# Altium PCB clock.PcbDoc (part 1 of 3) (continued)
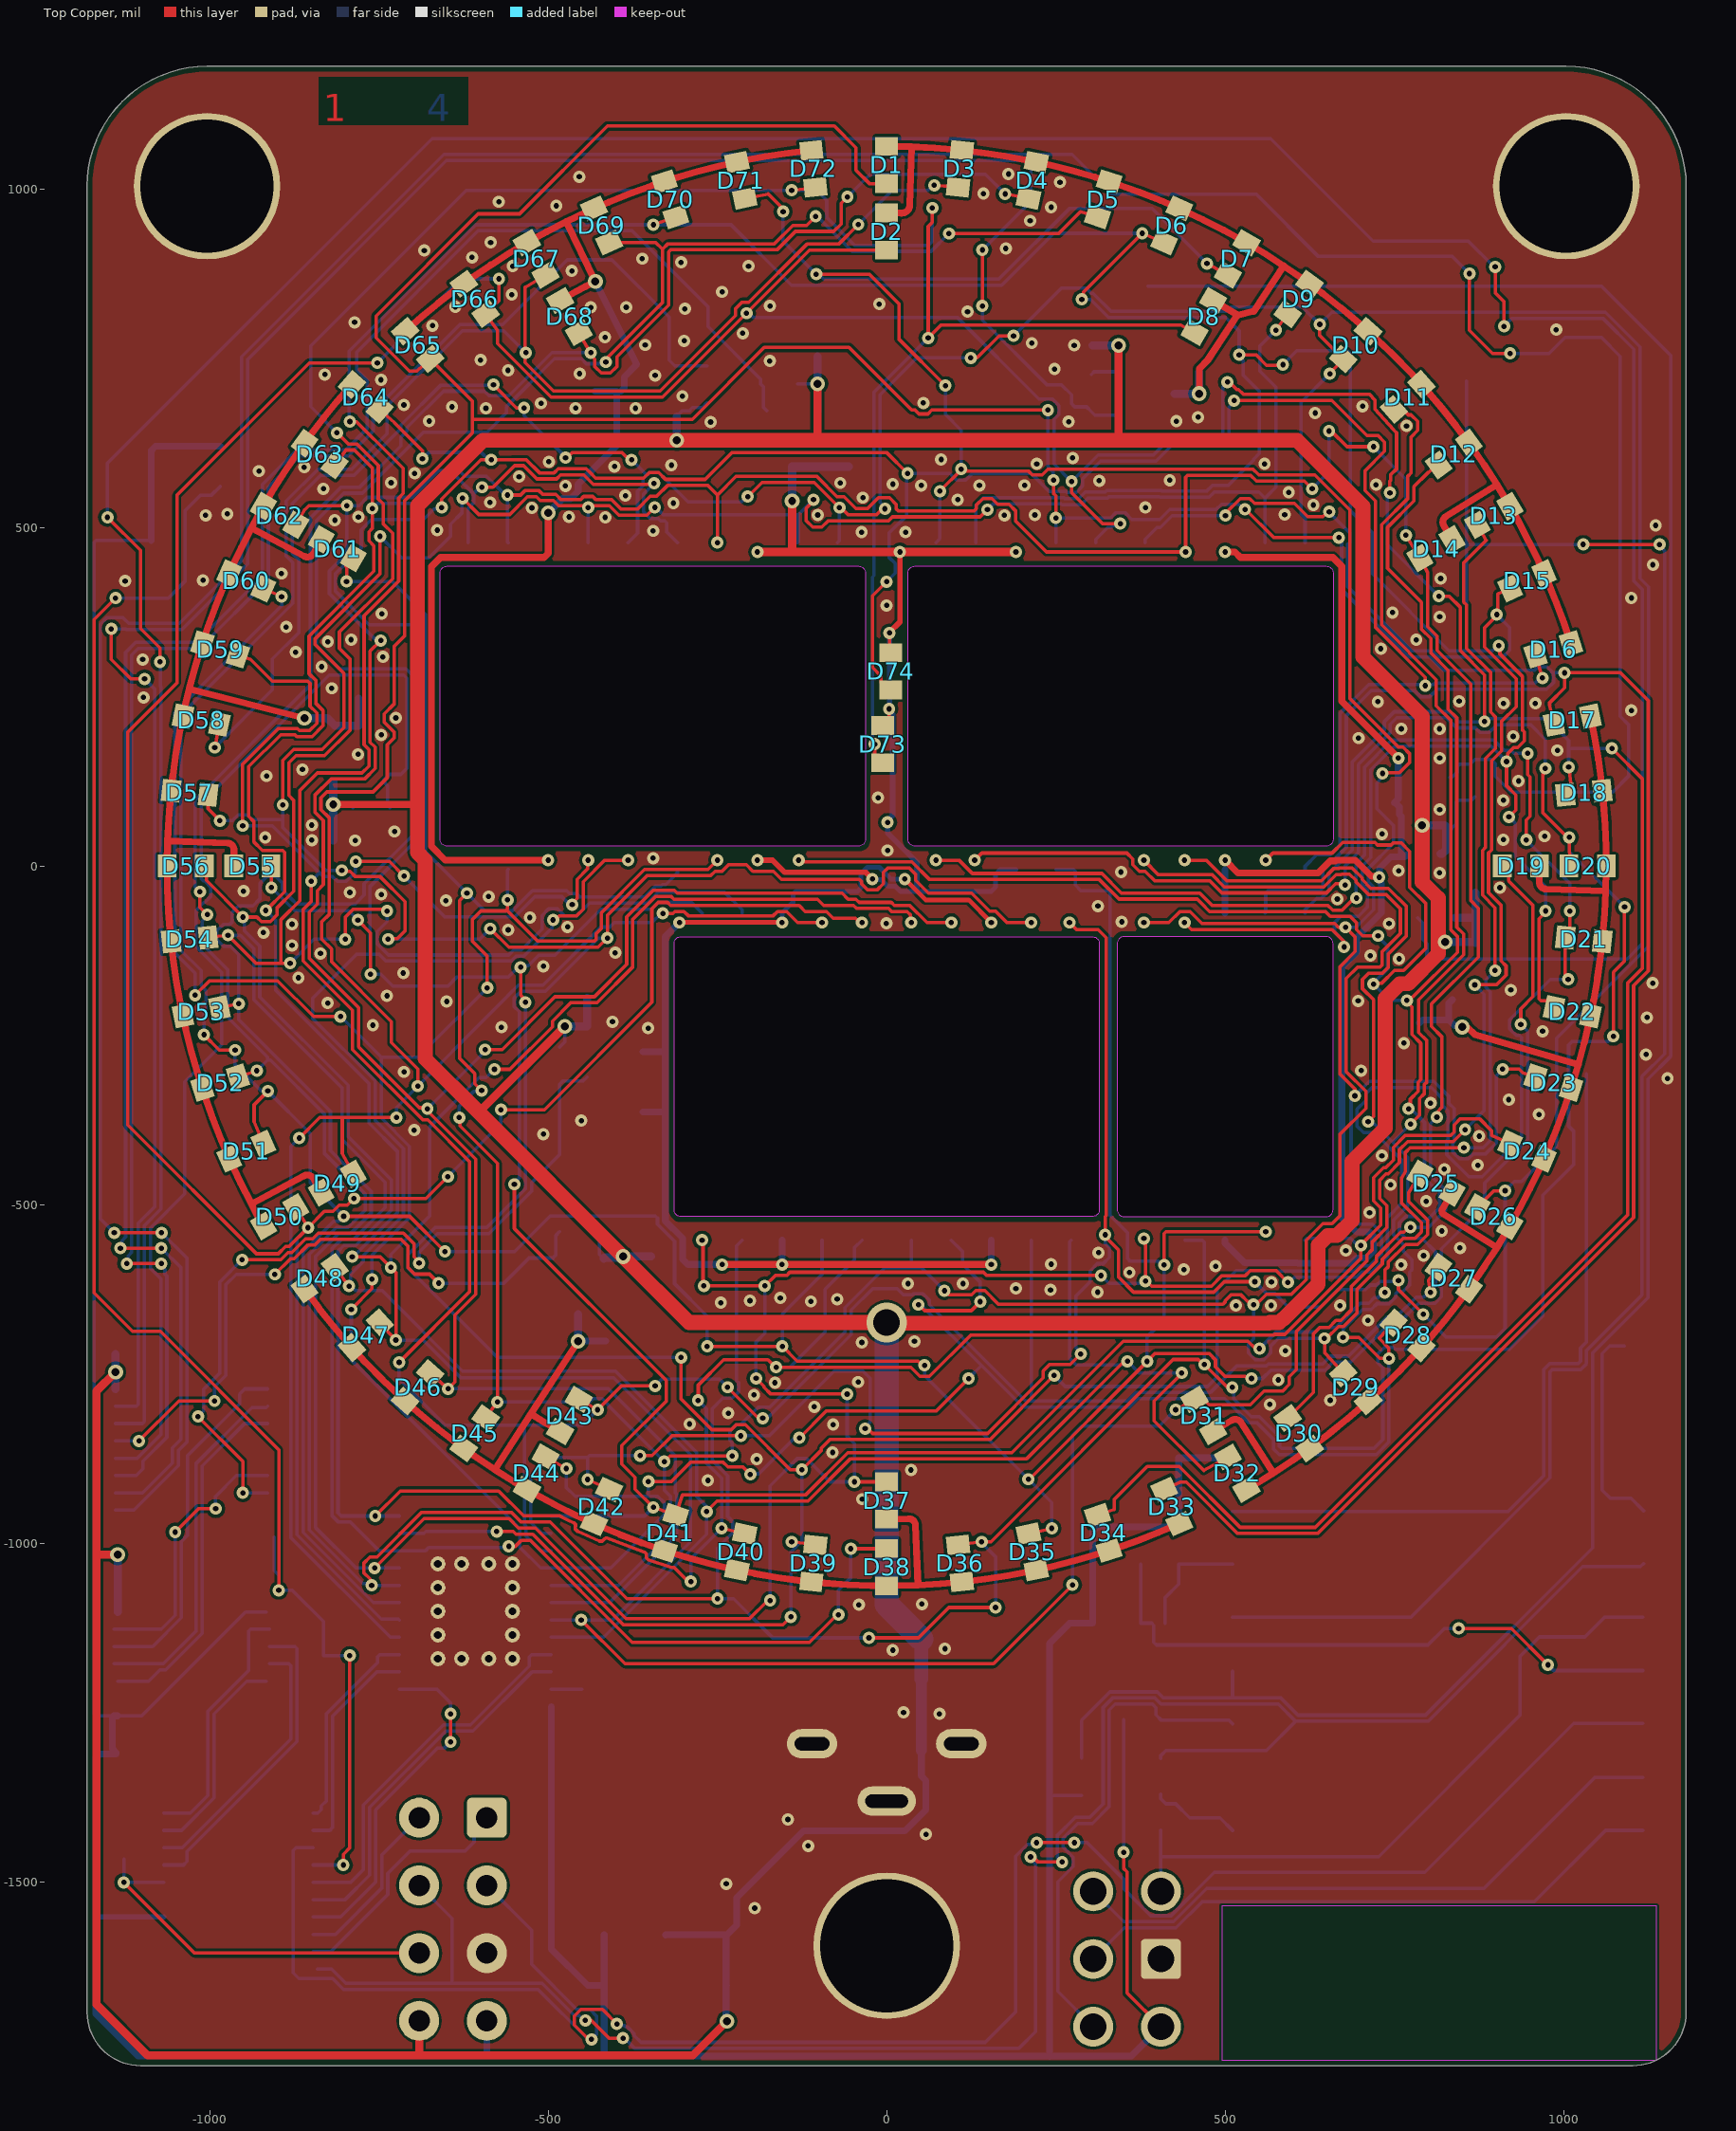
[diagram p0: Top Copper view]
## Board outline
-1181.1,-1692.91 ccw(c-1102.36,-1692.91) -1102.36,-1771.65 1102.36,-1771.65 ccw(c1102.36,-1692.91) 1181.1,-1692.91 1181.1,1003.94 ccw(c1003.94,1003.94) 1003.94,1181.1 -1003.94,1181.1 ccw(c-1003.94,1003.94) -1181.1,1003.94
cut-out: 340.55,-507.87 ccw(c350.39,-507.87) 350.39,-517.72 649.61,-517.72 ccw(c649.61,-507.87) 659.45,-507.87 659.45,-114.17 ccw(c649.61,-114.17) 649.61,-104.33 350.39,-104.33 ccw(c350.39,-114.17) 340.55,-114.17
cut-out: -313.98,-507.87 -313.98,-114.17 cw(c-304.13,-114.17) -304.13,-104.33 304.13,-104.33 cw(c304.13,-114.17) 313.98,-114.17 313.98,-507.87 cw(c304.13,-507.87) 304.13,-517.72 -304.13,-517.72 cw(c-304.13,-507.87)
cut-out: 41.34,29.53 cw(c41.34,39.37) 31.5,39.37 31.5,433.07 cw(c41.34,433.07) 41.34,442.91 649.61,442.91 cw(c649.61,433.07) 659.45,433.07 659.45,39.37 cw(c649.61,39.37) 649.61,29.53
cut-out: -659.45,39.37 -659.45,433.07 cw(c-649.61,433.07) -649.61,442.91 -41.34,442.91 cw(c-41.34,433.07) -31.5,433.07 -31.5,39.37 cw(c-41.34,39.37) -41.34,29.53 -649.61,29.53 cw(c-649.61,39.37)
cut-out: 41.34,29.53 cw(c41.34,39.37) 31.5,39.37 31.5,433.07 cw(c41.34,433.07) 41.34,442.91 649.61,442.91 cw(c649.61,433.07) 659.45,433.07 659.45,39.37 cw(c649.61,39.37) 649.61,29.53
cut-out: -659.45,39.37 -659.45,433.07 cw(c-649.61,433.07) -649.61,442.91 -41.34,442.91 cw(c-41.34,433.07) -31.5,433.07 -31.5,39.37 cw(c-41.34,39.37) -41.34,29.53 -649.61,29.53 cw(c-649.61,39.37)
cut-out: 41.34,29.53 cw(c41.34,39.37) 31.5,39.37 31.5,433.07 cw(c41.34,433.07) 41.34,442.91 649.61,442.91 cw(c649.61,433.07) 659.45,433.07 659.45,39.37 cw(c649.61,39.37) 649.61,29.53
cut-out: -659.45,39.37 -659.45,433.07 cw(c-649.61,433.07) -649.61,442.91 -41.34,442.91 cw(c-41.34,433.07) -31.5,433.07 -31.5,39.37 cw(c-41.34,39.37) -41.34,29.53 -649.61,29.53 cw(c-649.61,39.37)

## Design rules (kind name [scope] priority, off if disabled: settings)
BoardOutlineClearance [OnLayer('Top Copper') Or OnLayer('Bottom Copper') Or OnLayer('Signal Layer 1') Or OnLayer('Signal Layer 2')] p1: gap=7.87 ignorepadtopadclearanceinfootprint=FALSE
Clearance Clearance_LED_DIGIT [InComponentClass('LED_DIGIT') AND False vs OnLayer('Multi-Layer')] p1: gap=7.87 ignorepadtopadclearanceinfootprint=FALSE
Clearance [All] p2: gap=4 ignorepadtopadclearanceinfootprint=TRUE except(9.84: Arc-Hole Track-Hole SMDPad-Hole THPad-Hole Via-Hole Fill-Hole Poly-Hole Region-Hole Text-Hole)
ComponentClearance [All] p1: gap=3.94 collisioncheckmode=3 verticalgap=0 showdistances=TRUE
DiffPairsRouting [All] p1: maxlimit=4 minlimit=4 mostfreqgap=4 toplayer_minwidth=4 toplayer_maxwidth=71497.94 toplayer_prefwidth=4 midlayer1_minwidth=4 midlayer1_maxwidth=71497.94 midlayer1_prefwidth=4 midlayer2_minwidth=4 midlayer2_maxwidth=71497.94 midlayer2_prefwidth=4 bottomlayer_minwidth=4 bottomlayer_maxwidth=71497.94 bottomlayer_prefwidth=4 maxuncoupledlength=500
Height [All] p1: minheight=0 maxheight=71497.94 prefheight=500
HoleSize [All] p1: absolutevalues=TRUE maxlimit=248.03 minlimit=7.87 maxpercent=80.000 minpercent=20.000
HoleToHoleClearance [All] p1: gap=9.84 allowstackedmicrovias=FALSE
MinimumAnnularRing [All] p1: minimumring=5.12
MinimumSolderMaskSliver [All] p1: minsoldermaskwidth=0
NetAntennae [False] p1: netantennaetolerance=0
PlaneClearance [All] p1: clearance=4
PlaneConnect PlaneConnectPowerPads [InPadClass('PowerPads')] p1: planeconnectstyle=Direct reliefexpansion=20 reliefentries=4 reliefconductorwidth=10 reliefairgap=10
PlaneConnect [All] p2: pad.planeconnectstyle=Relief pad.reliefexpansion=11.81 pad.reliefentries=4 pad.reliefconductorwidth=4 pad.reliefairgap=4 via.planeconnectstyle=Direct via.reliefexpansion=11.81 via.reliefentries=4 via.reliefconductorwidth=5 via.reliefairgap=5
PolygonConnect PolygonConnect_gnd [InNet('GND') AND (((AsMM(PadYSize_AllLayers) >= 1.65) OR (AsMM(PadXSize_AllLayers) >= 1.5)) OR (InComponentClass('USB_CONNECTOR')) OR (InComponentClass('LED_DRIVER')))] p1: connectstyle=Direct reliefconductorwidth=10 reliefentries=4 polygonreliefangle="90 Angle" airgapwidth=10
PolygonConnect PolygonConnect_PWR [InNetClass('PWR')] p2: thpad.connectstyle=Direct thpad.reliefconductorwidth=10 thpad.reliefentries=4 thpad.polygonreliefangle="90 Angle" thpad.airgapwidth=10 smdpad.connectstyle=Relief smdpad.reliefconductorwidth=6 smdpad.reliefentries=4 smdpad.polygonreliefangle="90 Angle" smdpad.airgapwidth=5 via.connectstyle=Direct via.reliefconductorwidth=10 via.reliefentries=4 via.polygonreliefangle="90 Angle" via.airgapwidth=10
PolygonConnect [All] p3: thpad.connectstyle=Relief thpad.reliefconductorwidth=4 thpad.reliefentries=4 thpad.polygonreliefangle="90 Angle" thpad.airgapwidth=4 smdpad.connectstyle=Relief smdpad.reliefconductorwidth=4 smdpad.reliefentries=4 smdpad.polygonreliefangle="90 Angle" smdpad.airgapwidth=4 via.connectstyle=Direct via.reliefconductorwidth=5 via.reliefentries=4 via.polygonreliefangle="90 Angle" via.airgapwidth=5
RoutingLayers RoutingLayers_GND_BOTTOM [TouchesRoom('BOTTOM_GND')] p1: top layer_v5=TRUE mid layer 1_v5=TRUE mid layer 2_v5=TRUE bottom layer_v5=FALSE
RoutingLayers RoutingLayers_CUTOUTS [IsCutoutRegion] p2: top layer_v5=TRUE mid layer 1_v5=TRUE mid layer 2_v5=TRUE bottom layer_v5=TRUE
RoutingLayers [All] p3: top layer_v5=TRUE mid layer 1_v5=FALSE mid layer 2_v5=FALSE bottom layer_v5=TRUE
RoutingVias [All] p1: holewidth=7.87 width=17.72 viastyle="Through Hole" minholewidth=7.87 minwidth=17.72 maxholewidth=248.03 maxwidth=257.87 useviatemplates=TRUE viatemplateguid#1={26E339E6-4DC3-48AE-977F-90C94B5D6B22} viatemplateguid#2={1CEDF6CC-44D3-47FE-97DC-F5DA45AB97C9} viatemplateguid#3={31585C56-AB0C-4507-8C52-108CFC4AFD13} viatemplateguid#4={5EB94100-413C-4C3D-8577-2FB1A627B659} viatemplateguid#5={FFD8844E-BE91-452B-9529-80E850298098} viatemplateguid#6={17CEAE05-4389-496E-8F7E-7D5408FA6F4E} viatemplatename#1=CENTER_HOLE viatemplatename#2=CHUNKY_5 viatemplatename#3=GND_VIA viatemplatename#4=led_bus viatemplatename#5=mount_hole viatemplatename#6=pwr_via
SilkToSilkClearance [All] p1: silktosilkclearance=0
SilkToSolderMaskClearance [False] p1: minsilkscreentomaskgap=4 clearancetoexposedcopper=TRUE
SolderMaskExpansion [All] p1: expansion=2.95 istentingtop=FALSE
Width [All] p1: maxlimit=71497.94 minlimit=5 preferedwidth=5 minimp=50.000000 maximp=50.000000 favimp=50.000000
18 further rules are at their usual default settings.

## Classes and differential pairs
net class A[0..7]: A0 A1 A2 A3 A4 A5 A6 A7
net class COL[0..7]: COL0 COL1 COL2 COL3 COL4 COL5 COL6 COL7
component class USB_CONNECTOR: J1
component class LED_DRIVER: IC1
pad class DIGIT_PADS: DIG1-1 DIG1-2 DIG1-3 DIG1-4 DIG1-5 DIG1-6 DIG1-7 DIG1-8 DIG1-9 DIG1-10 DIG2-1 DIG2-2 DIG2-3 DIG2-4 DIG2-5 DIG2-6 DIG2-7 DIG2-8 DIG2-9 DIG2-10 DIG3-1 DIG3-2 DIG3-3 DIG3-4 DIG3-5 DIG3-6 DIG3-7 DIG3-8 DIG3-9 DIG3-10 DIG4-1 DIG4-2 DIG4-3 DIG4-4 DIG4-5 DIG4-6 DIG4-7 DIG4-8 DIG4-9 DIG4-10 DIG5-1 DIG5-2 DIG5-3 DIG5-4 DIG5-5 DIG5-6 DIG5-7 DIG5-8 DIG5-9 DIG5-10 DIG6-1 DIG6-2 DIG6-3 DIG6-4 DIG6-5 DIG6-6 DIG6-7 DIG6-8 DIG6-9 DIG6-10 DIG7-1 DIG7-2 DIG7-3 DIG7-4 DIG7-5 DIG7-6 DIG7-7 DIG7-8 DIG7-9 DIG7-10
component class clock: ALS1 C13 C14 C15 C16 C17 C18 C19 C20 C21 CON1 CON2 IC4 IC5 IC6 IC7 J1 R18 R19 R20 R21 R22 R23 R24 R25 R26 S1 S2 S3 TP17 TP18 TP19 TP20 TP21 TP22 TP23 TP24
net class ROW[0..15]: ROW0 ROW1 ROW2 ROW3 ROW4 ROW5 ROW6 ROW7 ROW8 ROW9 ROW10 ROW11 ROW12 ROW13 ROW14 ROW15
component class Display: C1 C2 C3 C4 C5 C6 C7 C8 C9 C10 C11 C12 D1 D2 D3 D4 D5 D6 D7 D8 D9 D10 D11 D12 D13 D14 D15 D16 D17 D18 D19 D20 D21 D22 D23 D24 D25 D26 D27 D28 D29 D30 D31 D32 D33 D34 D35 D36 D37 D38 D39 D40 D41 D42 D43 D44 D45 D46 D47 D48 D49 D50 D51 D52 D53 D54 D55 D56 D57 D58 D59 D60 D61 D62 D63 D64 D65 D66 D67 D68 D69 D70 D71 D72 D73 D74 DIG1 DIG2 DIG3 DIG4 DIG5 DIG6 DIG7 IC1 IC2 IC3 R1 R2 R3 R4 R5 R6 R7 R8 R9 R10 R11 R12 R13 R14 R15 R16 R17 U1 U2 U3 U4 U5 U6 U7 U8

## Components (designator, comment, footprint, x,y, rotation, side; value= is the part's Value field where it differs from the comment)
ALS1 "PHOTOTRANSISTOR" ALS-PT19-315C -984.26,590.55 r270 bottom
C1 "Cap" CAPC_0603_1608X08L -467.05,-1281.47 r180 bottom value=100nF
C2 "Cap" CAPC_0603_1608X08L -1109.53,-1309.36 r180 bottom value=100nF
C3 "Cap" CAPC_0603_1608X08L -1107.53,-1054.18 r180 bottom value=100nF
C4 "Cap" CAPC_0603_1608X08L -1139.07,-688.96 r270 bottom value=100nF
C5 "Cap" CAPC_0603_1608X08L -348,-605.29 r90 bottom value=100nF
C6 "Cap" CAPC_0603_1608X08L 870.13,-10.56 r270 bottom value=100nF
C7 "Cap" CAPC_0603_1608X08L -413.9,-195 r180 bottom value=100nF
C8 "Cap" CAPC_0603_1608X08L -788.92,38 r180 bottom value=100nF
C9 "Cap" CAPC_0603_1608X08L -269,600.25 r90 bottom value=100nF
C10 "Cap" CAPC_0603_1608X08L 275.46,769 r0 bottom value=100nF
C11 "Cap" CAPC_0603_1608X08L -73.66,753 r180 bottom value=100nF
C12 "Cap" CAPC_0603_1608X08L 818.06,-10.56 r90 bottom value=100nF
C13 "Cap" CAPC_0603_1608X08L -1125,-1580.63 r90 bottom value=100nF
C14 "Cap" CAPC_0603_1608X08L -1086.58,452.25 r90 bottom value=100nF
C15 "Cap" CAPC_0603_1608X08L 211.87,-1175.52 r0 bottom value=100nF
C16 "Cap" CAPC_0603_1608X08L -264.65,-1653.2 r0 bottom value=1uF
C17 "Cap" CAPC_0603_1608X08L -388.67,-1653.2 r180 bottom value=1uF
C18 "Cap" CAPC_0603_1608X08L -933.07,-991.15 r0 bottom value=220nF
C19 "Cap" CAPC_0603_1608X08L -1126.94,-1438.36 r270 bottom value=100nF
C20 "Cap" CAPC_1206_3216X16L -3.94,-1200.79 r0 bottom value=1uF
C21 "Cap" CAPC_1206_3216X16L 376.46,-874.13 r0 bottom value=4.7uF
CON1 "CON2X4" CON2X4 -590.64,-1405.43 r270 bottom
CON2 "CON6" CON2X3 305.12,-1714.17 r90 bottom
D1 "LED" "0603 CHIP SMD LED" 0,1035.43 r270 top
D2 "LED" "0603 CHIP SMD LED" 0,937.01 r270 top
D3 "LED" "0603 CHIP SMD LED" 108.23,1029.76 r264 top
D4 "LED" "0603 CHIP SMD LED" 215.28,1012.81 r258 top
D5 "LED" "0603 CHIP SMD LED" 319.97,984.75 r252 top
D6 "LED" "0603 CHIP SMD LED" 421.15,945.91 r246 top
D7 "LED" "0603 CHIP SMD LED" 517.72,896.71 r240 top
D8 "LED" "0603 CHIP SMD LED" 468.55,811.44 r240 top
D9 "LED" "0603 CHIP SMD LED" 608.61,837.68 r234 top
D10 "LED" "0603 CHIP SMD LED" 692.84,769.48 r228 top
D11 "LED" "0603 CHIP SMD LED" 769.48,692.84 r222 top
D12 "LED" "0603 CHIP SMD LED" 837.68,608.61 r216 top
D13 "LED" "0603 CHIP SMD LED" 896.71,517.72 r210 top
D14 "LED" "0603 CHIP SMD LED" 811.47,468.5 r210 top
D15 "LED" "0603 CHIP SMD LED" 945.91,421.15 r204 top
D16 "LED" "0603 CHIP SMD LED" 984.76,319.97 r198 top
D17 "LED" "0603 CHIP SMD LED" 1012.81,215.28 r192 top
D18 "LED" "0603 CHIP SMD LED" 1029.76,108.23 r186 top
D19 "LED" "0603 CHIP SMD LED" 937.01,0 r180 top
D20 "LED" "0603 CHIP SMD LED" 1035.43,0 r180 top
D21 "LED" "0603 CHIP SMD LED" 1029.76,-108.23 r174 top
D22 "LED" "0603 CHIP SMD LED" 1012.81,-215.28 r168 top
D23 "LED" "0603 CHIP SMD LED" 984.76,-319.97 r162 top
D24 "LED" "0603 CHIP SMD LED" 945.91,-421.16 r155.98 top
D25 "LED" "0603 CHIP SMD LED" 811.47,-468.5 r150 top
D26 "LED" "0603 CHIP SMD LED" 896.71,-517.72 r150 top
D27 "LED" "0603 CHIP SMD LED" 837.68,-608.61 r144 top
D28 "LED" "0603 CHIP SMD LED" 769.48,-692.84 r138 top
D29 "LED" "0603 CHIP SMD LED" 692.84,-769.48 r132 top
D30 "LED" "0603 CHIP SMD LED" 608.61,-837.68 r126 top
D31 "LED" "0603 CHIP SMD LED" 468.5,-811.47 r120 top
D32 "LED" "0603 CHIP SMD LED" 517.72,-896.71 r120 top
D33 "LED" "0603 CHIP SMD LED" 421.15,-945.91 r114 top
D34 "LED" "0603 CHIP SMD LED" 319.97,-984.76 r108 top
D35 "LED" "0603 CHIP SMD LED" 215.27,-1012.81 r101.97 top
D36 "LED" "0603 CHIP SMD LED" 108.23,-1029.76 r96 top
D37 "LED" "0603 CHIP SMD LED" 0,-937.01 r90 top
D38 "LED" "0603 CHIP SMD LED" 0,-1035.43 r90 top
D39 "LED" "0603 CHIP SMD LED" -108.23,-1029.76 r84 top
D40 "LED" "0603 CHIP SMD LED" -215.28,-1012.81 r78 top
D41 "LED" "0603 CHIP SMD LED" -319.97,-984.76 r72 top
D42 "LED" "0603 CHIP SMD LED" -421.15,-945.91 r66 top
D43 "LED" "0603 CHIP SMD LED" -468.5,-811.47 r60 top
D44 "LED" "0603 CHIP SMD LED" -517.72,-896.71 r60 top
D45 "LED" "0603 CHIP SMD LED" -608.61,-837.68 r54 top
D46 "LED" "0603 CHIP SMD LED" -692.84,-769.48 r48 top
D47 "LED" "0603 CHIP SMD LED" -769.48,-692.84 r42 top
D48 "LED" "0603 CHIP SMD LED" -837.68,-608.61 r36 top
D49 "LED" "0603 CHIP SMD LED" -811.47,-468.5 r30 top
D50 "LED" "0603 CHIP SMD LED" -896.71,-517.72 r30 top
D51 "LED" "0603 CHIP SMD LED" -945.91,-421.15 r24 top
D52 "LED" "0603 CHIP SMD LED" -984.76,-319.97 r18 top
D53 "LED" "0603 CHIP SMD LED" -1012.81,-215.28 r12 top
D54 "LED" "0603 CHIP SMD LED" -1029.76,-108.23 r6 top
D55 "LED" "0603 CHIP SMD LED" -937.01,0 r0 top
D56 "LED" "0603 CHIP SMD LED" -1035.43,0 r0 top
D57 "LED" "0603 CHIP SMD LED" -1029.76,108.23 r354 top
D58 "LED" "0603 CHIP SMD LED" -1012.81,215.28 r348 top
D59 "LED" "0603 CHIP SMD LED" -984.76,319.96 r342.02 top
D60 "LED" "0603 CHIP SMD LED" -945.91,421.15 r336 top
D61 "LED" "0603 CHIP SMD LED" -811.47,468.5 r330 top
D62 "LED" "0603 CHIP SMD LED" -896.71,517.72 r330 top
D63 "LED" "0603 CHIP SMD LED" -837.68,608.61 r324 top
D64 "LED" "0603 CHIP SMD LED" -769.48,692.84 r318 top
D65 "LED" "0603 CHIP SMD LED" -692.84,769.48 r312 top
D66 "LED" "0603 CHIP SMD LED" -608.61,837.68 r306 top
D67 "LED" "0603 CHIP SMD LED" -517.72,896.71 r300 top
D68 "LED" "0603 CHIP SMD LED" -468.5,811.47 r300 top
D69 "LED" "0603 CHIP SMD LED" -421.15,945.91 r294 top
D70 "LED" "0603 CHIP SMD LED" -319.97,984.76 r288 top
D71 "LED" "0603 CHIP SMD LED" -215.28,1012.81 r282 top
D72 "LED" "0603 CHIP SMD LED" -108.23,1029.76 r276 top
D73 "LED" "0603 CHIP SMD LED" -6,180 r270 top
D74 "LED" "0603 CHIP SMD LED" 6,287.56 r270 top
DIG1 "KCSA03-105" KCSA03105 -500,236.22 r180 bottom
DIG2 "KCSA03-105" KCSA03105 190.94,236.22 r180 bottom
DIG3 "KCSA03-105" KCSA03105 -190.94,236.22 r180 bottom
DIG4 "KCSA03-105" KCSA03105 500,-311.02 r180 bottom
DIG5 "KCSA03-105" KCSA03105 500,236.22 r180 bottom
DIG6 "KCSA03-105" KCSA03105 -154.53,-311.02 r180 bottom
DIG7 "KCSA03-105" KCSA03105 154.53,-311.02 r180 bottom
IC1 "TLC5949PWP" "TSOP65P640X120-24L - POWERPAD" -607.8,-1100.62 r0 bottom
IC2 "TXB0104PWR" TSOP65P640X120-14L -1023.87,-1178.23 r180 bottom
IC3 "SN74HC138" TSOP65P640X110-16L -1026.87,-861.73 r180 bottom
IC4 "STM32G030F6P6" TSOP65P630X120-20L -957.77,-1513.7 r0 bottom
IC5 "MC33375ST−3.3T3G" SOT230P700X180-4N -326.66,-1463.34 r90 bottom
IC6 "RV-8263-C7" RV-8263-C7 357.77,-1149.63 r180 bottom
IC7 "ESP8266 ESP-12-F" "ESP8266 ESP-12-E" 1160.06,-778.13 r0 bottom
J1 "USB Micro" "USB 1051330011" 0,-1338.58 r180 bottom
R1 "RES0603" RESC1608X03L -422.74,-1215.78 r0 bottom value=1.6k
R2 "RES0603" RESC1608X03L 302.58,698.48 r90 bottom value=20k
R3 "RES0603" RESC1608X03L 811.98,-76.63 r0 bottom value=20k
R4 "RES0603" RESC1608X03L -455.81,-540.22 r0 bottom value=20k
R5 "RES0603" RESC1608X03L -761.11,86.2 r0 bottom value=20k
R6 "RES0603" RESC1608X03L -265.6,711.31 r270 bottom value=20k
R7 "RES0603" RESC1608X03L -158.89,712.31 r0 bottom value=20k
R8 "RES0603" RESC1608X03L 869,130 r270 bottom value=20k
R9 "RES0603" RESC1608X03L -483.23,-294.84 r90 bottom value=20k
R10 "RES0603" RESC1608X03L 461.76,757.2 r270 bottom value=4.7k
R11 "RES0603" RESC1608X03L 787.32,-259.25 r90 bottom value=4.7k
R12 "RES0603" RESC1608X03L -387.44,-701.64 r0 bottom value=4.7k
R13 "RES0603" RESC1608X03L -752.51,248 r180 bottom value=4.7k
R14 "RES0603" RESC1608X03L -458.56,701.47 r0 bottom value=4.7k
R15 "RES0603" RESC1608X03L -56,617.47 r90 bottom value=4.7k
R16 "RES0603" RESC1608X03L 769,-10.56 r270 bottom value=4.7k
R17 "RES0603" RESC1608X03L -387.32,-363 r180 bottom value=4.7k
R18 "RES0603" RESC1608X03L 431.57,-1003.57 r90 bottom value=20k
R19 "RES0603" RESC1608X03L 375.48,-1003.57 r90 bottom value=20k
R20 "RES0603" RESC1608X03L -932.09,-1040.56 r0 bottom value=68k
R21 "RES0603" RESC1608X03L 288,-1345 r90 bottom value=10k
R22 "RES0603" RESC1608X03L 377.56,-1260.95 r0 bottom value=10k
R23 "RES0603" RESC1608X03L 377.56,-1370.98 r0 bottom value=10k
R24 "RES0603" RESC1608X03L 377.56,-1424.13 r0 bottom value=10k
R25 "RES0603" RESC1608X03L 377.56,-1317.83 r0 bottom value=10k
R26 "RES0603" RESC1608X03L 1090,-736.22 r270 bottom value=10k
S1 "4-1437565-1" FSM-SWITCH 551.16,944.72 r270 bottom
S2 "4-1437565-1" FSM-SWITCH 945.07,-472.57 r0 bottom
S3 "4-1437565-1" FSM-SWITCH 945.07,551.14 r180 bottom
TP17 "TESTPOINT" TESTPOINT_BIG -832,-1166 r270 bottom
TP18 "TESTPOINT" TESTPOINT_GND -772,-1306 r180 bottom
TP19 "TESTPOINT" TESTPOINT_BIG 0,-945.83 r270 bottom
TP20 "TESTPOINT" TESTPOINT_GND -1092,-1703 r180 bottom
TP21 "TESTPOINT" TESTPOINT_GND -1001,-1703 r180 bottom
TP22 "TESTPOINT" TESTPOINT_GND -910,-1703 r180 bottom
TP23 "TESTPOINT" TESTPOINT_GND -819,-1703 r180 bottom
TP24 "TESTPOINT" TESTPOINT_GND -297,-1213 r180 bottom
U1 "MOSFET-P" SOT95P230X110-3L 383.75,697.64 r0 bottom
U2 "MOSFET-P" SOT95P230X110-3L 835.48,-156.12 r270 bottom
U3 "MOSFET-P" SOT95P230X110-3L -455.65,-620.91 r270 bottom
U4 "MOSFET-P" SOT95P230X110-3L -780.07,165.57 r90 bottom
U5 "MOSFET-P" SOT95P230X110-3L -351.42,701.47 r180 bottom
U6 "MOSFET-P" SOT95P230X110-3L -139.61,631.25 r270 bottom
U7 "MOSFET-P" SOT95P230X110-3L 790.76,93.24 r180 bottom
U8 "MOSFET-P" SOT95P230X110-3L -401.1,-274.13 r0 bottom
